# Altium PCB Main Board.PcbDoc (part 1 of 2) (continued)
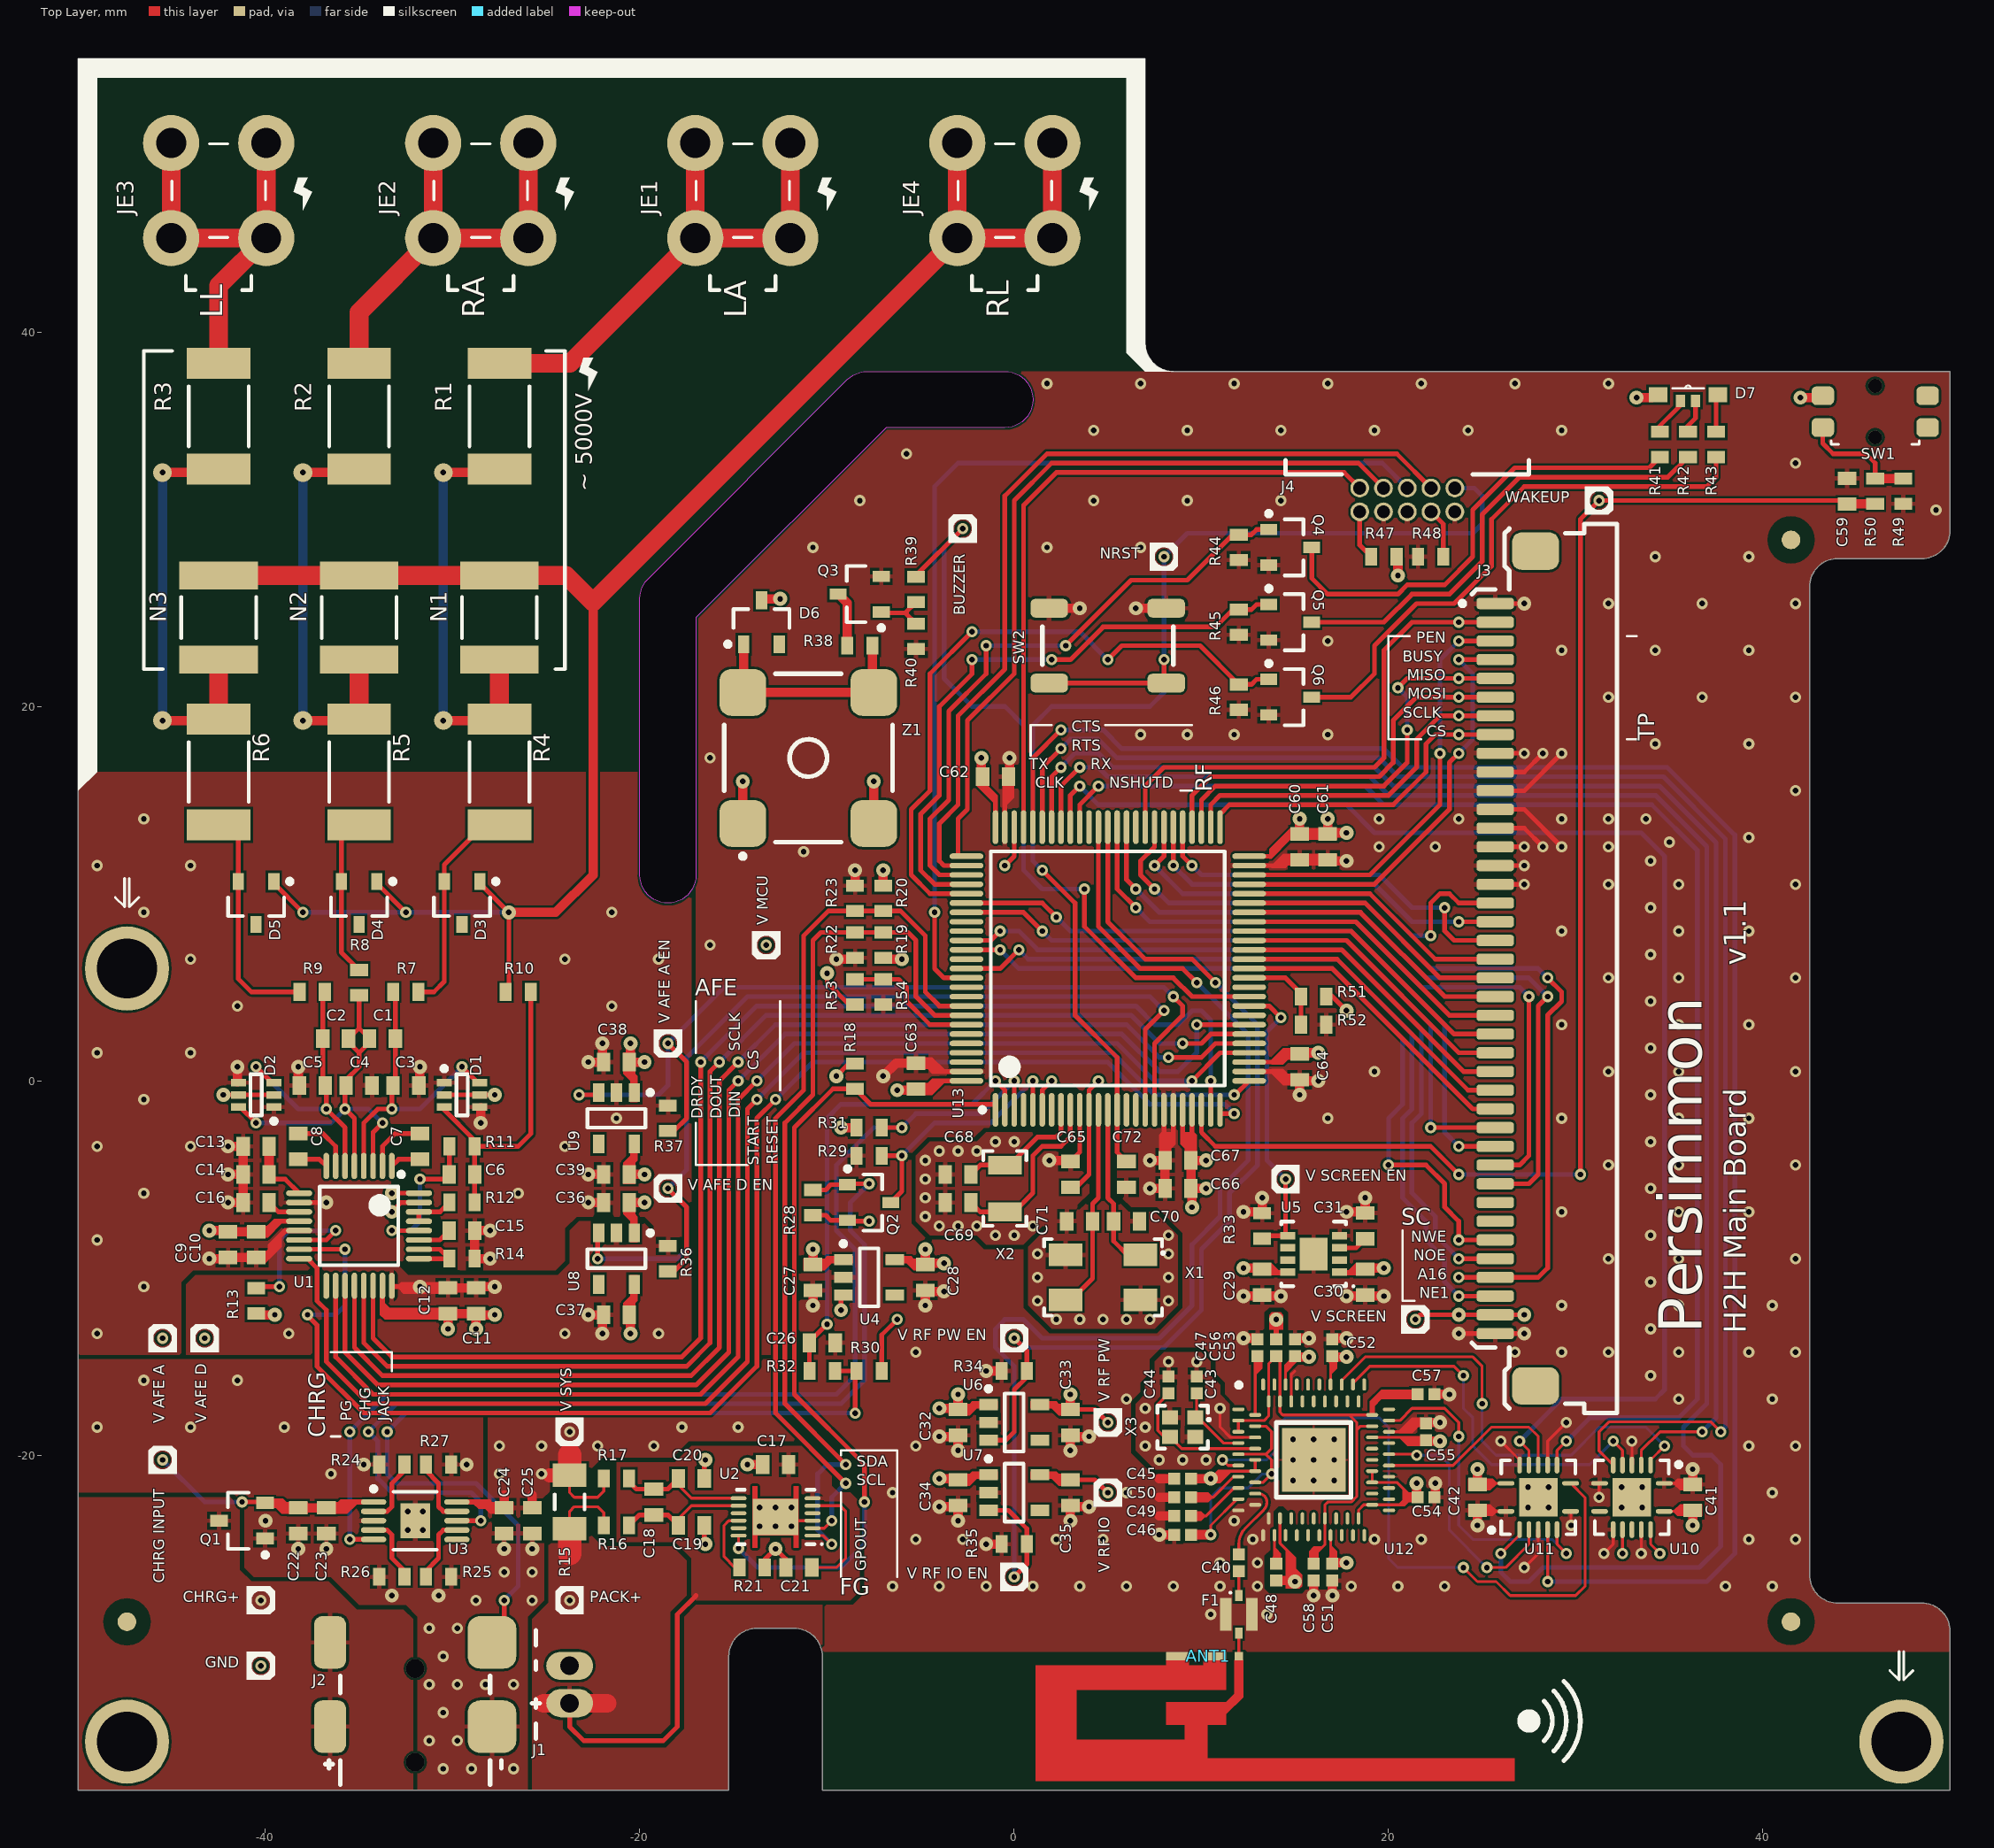
[diagram p0: Top Layer view]
## Footprints (in the part's own frame and the unit in brackets; to place one, negate y for a bottom-side part, rotate by r counter-clockwise, add the part's x,y. Pads: shape width x height; smd on the part's side, far side on the other; paste and mask are expansions set on the pad) (continued)
S2B-PH-K-S [mm] "Conn - Battery, Male, 2 Pin, PCB, Right Angle"
  oval 1.5x2.5 hole 1: 1(-1,6.25) 2(1,6.25)
  silkscreen extent -2.9,7.85 2.9,8.25, body extent -3,0 3,8, height 4.8
SN74LV4T125 [mm] "QFN, 14-Leads, Body 3,50x3,50mm, Pitch 0,50mm/1,50mm, Thermal Pad 2,05x2,05mm, IPC Medium Density"
  oval 0.9x0.25 smd mask+0.07: 1(-1.725,-0.75) 7(1.725,-0.75) 8(1.725,0.75) 14(-1.725,0.75)
  oval 0.25x0.9 smd mask+0.07: 2(-1,-1.725) 3(-0.5,-1.725) 4(0,-1.725) 5(0.5,-1.725) 6(1,-1.725) 9(1,1.725) 10(0.5,1.725) 11(0,1.725) 12(-0.5,1.725) 13(-1,1.725)
  rect 2.05x2.05 smd mask+0.07: Pad(0,0)
  silkscreen extent -2.62,-1.97 1.97,1.97, body extent -1.83,-1.83 1.83,1.83, height 1
STM-LQFP100_N [mm] "Thin QFP, 100-Leads, Body 14x14mm, Pitch 0.5mm, IPC Medium Density"
  oval 1.8x0.3 smd mask+0.05: 1(-7.55,6) 2(-7.55,5.5) 3(-7.55,5) 4(-7.55,4.5) 5(-7.55,4) 6(-7.55,3.5) 7(-7.55,3) 8(-7.55,2.5) 9(-7.55,2) 10(-7.55,1.5) 11(-7.55,1) 12(-7.55,0.5) 13(-7.55,0) 14(-7.55,-0.5) 15(-7.55,-1) 16(-7.55,-1.5) 17(-7.55,-2) 18(-7.55,-2.5) 19(-7.55,-3) 20(-7.55,-3.5) 21(-7.55,-4) 22(-7.55,-4.5) 23(-7.55,-5) 24(-7.55,-5.5) 25(-7.55,-6) 51(7.55,-6) 52(7.55,-5.5) 53(7.55,-5) 54(7.55,-4.5) 55(7.55,-4) 56(7.55,-3.5) 57(7.55,-3) 58(7.55,-2.5) 59(7.55,-2) 60(7.55,-1.5) 61(7.55,-1) 62(7.55,-0.5) 63(7.55,0) 64(7.55,0.5) 65(7.55,1) 66(7.55,1.5) 67(7.55,2) 68(7.55,2.5) 69(7.55,3) 70(7.55,3.5) 71(7.55,4) 72(7.55,4.5) 73(7.55,5) 74(7.55,5.5) 75(7.55,6)
  oval 0.3x1.8 smd mask+0.05: 26(-6,-7.55) 27(-5.5,-7.55) 28(-5,-7.55) 29(-4.5,-7.55) 30(-4,-7.55) 31(-3.5,-7.55) 32(-3,-7.55) 33(-2.5,-7.55) 34(-2,-7.55) 35(-1.5,-7.55) 36(-1,-7.55) 37(-0.5,-7.55) 38(0,-7.55) 39(0.5,-7.55) 40(1,-7.55) 41(1.5,-7.55) 42(2,-7.55) 43(2.5,-7.55) 44(3,-7.55) 45(3.5,-7.55) 46(4,-7.55) 47(4.5,-7.55) 48(5,-7.55) 49(5.5,-7.55) 50(6,-7.55) 76(6,7.55) 77(5.5,7.55) 78(5,7.55) 79(4.5,7.55) 80(4,7.55) 81(3.5,7.55) 82(3,7.55) 83(2.5,7.55) 84(2,7.55) 85(1.5,7.55) 86(1,7.55) 87(0.5,7.55) 88(0,7.55) 89(-0.5,7.55) 90(-1,7.55) 91(-1.5,7.55) 92(-2,7.55) 93(-2.5,7.55) 94(-3,7.55) 95(-3.5,7.55) 96(-4,7.55) 97(-4.5,7.55) 98(-5,7.55) 99(-5.5,7.55) 100(-6,7.55)
  silkscreen extent -7.67,-6.25 6.25,6.82, body extent -7,-7 7,7, height 1.6
TPS73633 [mm] "PSON, 8-Leads, Body 3,00x3,00mm, Pitch 0,65mm, Thermal Pad 1,75x1,50mm, IPC Medium Density"
  rect 0.8x0.4 smd mask+0.05: 1(-1.39,0.975) 2(-1.39,0.325) 3(-1.39,-0.325) 4(-1.39,-0.975) 5(1.39,-0.975) 6(1.39,-0.325) 7(1.39,0.325) 8(1.39,0.975)
  rect 1.5x1.75 smd mask+0.05: Pad(0,0)
  silkscreen extent -2.17,-1.72 1.73,1.77, body extent -1.58,-1.57 1.58,1.58, height 1
"WS-TASU 436331045822" [mm] "Switch - Tactile, Off-Mom, SPST, Side-Actuated"
  rrect50% 1.2x1 smd: 1(2.8,2.6) 2(2.8,0.9) 3(-2.8,2.6) 4(-2.8,0.9)
  silkscreen extent -2.35,3.3 2.35,3.5, body extent -3.2,-1 3.2,3.5, height 1.65

## Part data
ANT1: library part "ANT 2.4 GHz", "Antenna - Inverted F 2.4 GHz"
C1 C2 C3 C4 C5 C6 C7 C8 C9 C10 C11 C12 C13 C14 C15 C16 C17 C18 C19 C20 C21 C22 C23 C24 C25 C26 C27 C28 C29 C30 C31 C32 C33 C34 C35 C36 C37 C38 C39 C40 C41 C42 C43 C44 C45 C46 C47 C48 C49 C50 C51 C52 C53 C54 C55 C56 C57 C58 C59 C60 C61 C62 C63 C64 C65 C66 C67 C68 C69 C70 C71 C72: library part Capacitor, "Capacitor"
D1 D2: "TVS - Dual Schottky Rail-to-rail Protection"
D3 D4 D5: "TVS - Bidirectional Zener Diode"
D6: "Diode - Switching diode, 1 V, 200 mA"
D7: "LED - RGB, Top/Side-emmiting"
F1: "Filter - RF 2.4 GHz"
J1: library part S2B-PH-K-S, "Conn - Battery, Male, 2 Pin, PCB, Right Angle"
J2: "Conn - DC Power Plug - 4.0 mmOD / 1.7 mmID"
J3: library part ER-CON40HB-2, "Conn - FFC/FPC, 40 Pin, 1.0mm Pitch, ZIF"
J4: library part 3220-10-0200-00, "Conn - JTAG, Header, Male, Right Angle, 10 Pin, 1.27mm Pitch, ARM Standard"
JE1 JE2 JE3 JE4: library part CT3151SP-6, "Conn - 4mm Banana Female Jack, PCB mount, Right Angle"
N1 N2 N3: library part 2051-09-SM, "TVS - Gas Discharge Tube"
Q1: "Transistor - MOSFET, P-Channel, 30V, 4.3A"
Q2: "Transistor - MOSFET, P-Channel, 50V, 130mA"
Q3 Q4 Q5 Q6: "Transistor - MOSFET, N-Channel, 60V, 300mA"
R1 R2 R3 R4 R5 R6 R7 R8 R9 R10 R11 R12 R13 R14 R15 R16 R17 R18 R19 R20 R21 R22 R23 R24 R25 R26 R27 R28 R29 R30 R31 R32 R33 R34 R35 R36 R37 R38 R39 R40 R41 R42 R43 R44 R45 R46 R47 R48 R49 R50 R51 R52 R53 R54: library part Resistor, "Resistor"
SW1: "Switch - Tactile, Off-Mom, SPST, Side-Actuated"
SW2: "Switch - Tactile, Off-Mom, SPST"
U1: "IC - Analog Front End - Medical"
U2: "IC - Fuel Gauge, System-Side Impedance Track"
U3: "IC - Battery Charger, Single Cell Li-Ion/LiPo, 1A"
U4 U5 U6 U7 U8 U9: "Voltage Regulator - Linear"
U10 U11: "IC - Voltage Level Translator"
U12: "IC - Bluetooth 4.0 controller (BR/EDR)"
U13: "ARM Cortex-M3 32-bit MCU, 384 KB Flash, 48 KB Internal RAM, 83 I/Os, 100-pin LQFP, -40 to 85 degC, Tray"
X1: "Crystal - 16 MHz"
X2: "Crystal - 32.768 kHz"
X3: "Crystal - 26 MHz"
Z1: library part KSSG74B16, "Transductor - Buzzer 2.7 kHz"

## Free pads (board coordinates)
  round 1 smd paste-1 mask+0.5: FID1(41.5,28.9) FID2(-47.4,-28.9) FID3(41.5,-28.9)
  round 4.5 hole 3.2: ""(-47.4,-35.3) ""(-47.4,6) ""(47.4,-35.3)

## Via types
v1: diameter 0.6, hole 0.3, Top Layer to Bottom Layer, tented both sides, 297 vias
v2: diameter 0.75, hole 0.3, Top Layer to Bottom Layer, tented both sides, 136 vias
v3: diameter 0.6, hole 0.3, Top Layer to Bottom Layer, 58 vias
v4: diameter 0.6, hole 0.3, Top Layer to Bottom Layer, tented bottom, 48 vias
v5: diameter 0.6, hole 0.3, Top Layer to Bottom Layer, tented top, 29 vias
v6: diameter 1, hole 0.3, Top Layer to Bottom Layer, tented bottom, 6 vias
v7: diameter 1, hole 1, Top Layer to Bottom Layer, 2 vias
v8: diameter 0.75, hole 0.75, Top Layer to Bottom Layer, 2 vias
v9: diameter 0.75, hole 0.3, Top Layer to Bottom Layer, 1 vias

## Nets (pads, with @x,y where several pads share a name; then routed paths per layer and width w, separated by ;. In a path a pad name is that pad's centre, name@x,y a point inside that pad or via, vN(x,y) a via of type N, cw(c..) or ccw(c..) an arc to the next point about the centre after c; other vN are vias at no path point)
AFE_CLK: U1.17
AFE_CLKSEL: R13.2 U1.14 | length 9.1
  Top Layer w0.25: R13.2@-40.5,-11 v4(-39.25,-11) ; U1.14@-38.2,-8.5 -36.75,-8.5 v1(-36.25,-8)
  Bottom Layer w0.25: v4(-39.25,-11) -39.25,-8.5 -38.75,-8 v1(-36.25,-8)
AFE_CS: U1.18 U13.29 | length 70.7
  Top Layer w0.25: U1.18@-36.25,-10.95 -36.25,-14.75 -34.25,-16.75 -16.75,-16.75 -14.75,-14.75 -14.75,-1 v4(-13.75,0) ; v1(9.5,0) 11,1.5 U13.29@12.55,1.5
  Bottom Layer w0.25: v4(-13.75,0) -11.75,2 5.5,2 7.5,0 v1(9.5,0)
AFE_DIN: U1.19 U13.32 | length 71.3
  Top Layer w0.25: U1.19@-35.75,-10.95 -35.75,-14.5 -34,-16.25 -17,-16.25 -15.25,-14.5 -15.25,-0.5 v4(-14.75,0) ; v5(9.75,3) U13.32@12.55,3
  Bottom Layer w0.25: v4(-14.75,0) -12.25,2.5 5.75,2.5 7.75,0.5 8.75,0.5 9.75,1.5 v5(9.75,3)
AFE_DOUT: U1.21 U13.31 | length 68
  Top Layer w0.25: U1.21@-34.75,-10.95 -34.75,-14 -33.5,-15.25 -17.5,-15.25 -16.25,-14 -16.25,0.5 v4(-15.75,1) ; v1(9,2) 10,2 10.5,2.5 U13.31@12.55,2.5
  Bottom Layer w0.25: v4(-15.75,1) -13.25,3.5 6.25,3.5 7.75,2 v1(9,2)
AFE_DRDY: U1.22 U13.24 | length 70.1
  Top Layer w0.25: U1.22@-34.25,-10.95 -34.25,-13.75 -33.25,-14.75 -17.75,-14.75 -16.75,-13.75 v4(-16.75,1) ; U13.24@10.5,-1.55 v1(10.5,0)
  Bottom Layer w0.25: v4(-16.75,1) -13.75,4 6.5,4 7.5,3 8.75,3 9.5,3.75 10,3.75 10.5,3.25 v1(10.5,0)
AFE_GPIO: R14.1 U1.25 U1.26 | length 3.5
  Top Layer w0.25: U1.25@-31.8,-9.5 R14.1@-30.175,-9.5 -30.675,-9 U1.26@-31.8,-9
AFE_LA: C1.2 C3.2 D1.6 R7.2 U1.4 | length 16.1
  Top Layer w0.25: U1.4@-34.75,-4.55 -34.75,-2.25 -34,-1.5 v4(-33.25,-1.5) -33.25,-0.31 C3.2@-33.19,-0.25 -33.06,-0.12 C1.2@-33.06,2.25 R7.2@-33.06,4.385 ; v4(-29.5,0.75) -28.65,-0.1 D1.6@-28.55,-0.1
  Bottom Layer w0.25: v4(-33.25,-1.5) -31.75,-1.5 v4(-29.5,0.75)
AFE_LL: C2.1 C5.2 D2.3 R9.2 U1.6 | length 15.2
  Top Layer w0.25: v4(-40.5,0.75) D2.3@-39.65,-0.1 ; C5.2@-36.94,-0.12 C2.1@-36.94,2.25 -36.94,4.385 R9.2@-36.825,4.5 ; C5.2@-36.75,-0.31 v4(-36.75,-1.5) -35.75,-2.5 U1.6@-35.75,-4.55
  Bottom Layer w0.25: v4(-40.5,0.75) -38.25,-1.5 v4(-36.75,-1.5)
AFE_RA: C1.1 C2.2 C4.2 D2.6 R8.2 U1.3 U1.5 | length 22.6
  Top Layer w0.25: D2.6@-41.45,-1.4 -41.35,-1.4 v4(-40.5,-2.25) ; C2.2@-35.56,2.06 -35,1.5 ; C2.2@-35.56,2.25 -35,2.81 ; U1.5@-35.25,-4.55 -35.25,-2 v4(-35.75,-1.5) -35.75,-0.31 C4.2@-35.69,-0.25 -35.69,0.06 -35,0.75 -35,1.5 ; R8.2@-35,4.325 -35,2.81 ; U1.3@-34.25,-4.55 -34.25,-2.75 v4(-33.75,-2.25) ; -35,1.5 -34.44,2.06 C1.1@-34.44,2.25 -35,2.81
  Bottom Layer w0.25: v4(-40.5,-2.25) -36.5,-2.25 v4(-35.75,-1.5) -34.5,-1.5 v4(-33.75,-2.25)
AFE_RESET: U1.15 U13.25 | length 78.1
  Top Layer w0.25: U1.15@-38.2,-9 v1(-35.75,-9) ; v4(-37.75,-12.5) -37.75,-12.536 -37.25,-13.036 -37.25,-15.25 -34.75,-17.75 -16.25,-17.75 -13.75,-15.25 -13.75,-2 v4(-12.75,-1) ; U13.25@11,-1.75 v4(11.75,-1.75) ; U13.25@11,-1.5 U13.25@11.003,-1.5
  Bottom Layer w0.25: v4(-37.75,-12.5) -36.25,-12.5 -35.75,-12 v1(-35.75,-9) ; v4(-12.75,-1) -10.75,1 5,1 7.25,-1.25 11.25,-1.25 v4(11.75,-1.75)
AFE_RL: C6.2 D1.3 R10.2 R11.2 R12.2 | length 16.3
  Top Layer w0.25: D1.3@-30.5,-1.5 -28.825,-3.175 R11.2@-28.825,-3.5 ; R12.2@-28.825,-6.5 R11.2@-28.825,-3.5 ; R10.2@-25.825,4.5 -25.825,-2.825 -26.5,-3.5 R11.2@-28.825,-3.5
AFE_RLDINV: C6.1 R11.1 U1.28 | length 8.6
  Top Layer w0.25: v1(-33.25,-8) U1.28@-31.8,-8 ; v4(-31.75,-5.25) -30.44,-5.25 C6.1@-30.19,-5 -30.175,-4.985 R11.1@-30.175,-3.5
  Bottom Layer w0.25: v1(-33.25,-8) -32.25,-8 -31.75,-7.5 v4(-31.75,-5.25)
AFE_RLDOUT: R12.1 U1.29 U1.30 | length 2.3
  Top Layer w0.25: U1.29@-31.8,-7.5 U1.30@-31.8,-7 -30.675,-7 R12.1@-30.175,-6.5
AFE_SCLK: U1.20 U13.30 | length 68.9
  Top Layer w0.25: U1.20@-35.25,-10.95 -35.25,-14.25 -33.75,-15.75 -17.25,-15.75 -15.75,-14.25 -15.75,0 v4(-14.75,1) ; v1(8.25,1.25) 10,1.25 10.75,2 U13.30@12.55,2
  Bottom Layer w0.25: v4(-14.75,1) -12.75,3 6,3 7.75,1.25 v1(8.25,1.25)
AFE_START: U1.16 U13.26 | length 73.5
  Top Layer w0.25: U1.16@-38.2,-9.5 -37.75,-9.5 -37.25,-10 -37.25,-11.75 -36.75,-12.25 -36.75,-15 -34.5,-17.25 -16.5,-17.25 -14.25,-15 -14.25,-1.5 v4(-13.75,-1) ; v4(11.75,-0.75) 11.8,-0.75 U13.26@12.55,0
  Bottom Layer w0.25: v4(-13.75,-1) -11.25,1.5 5.25,1.5 7.5,-0.75 v4(11.75,-0.75)
AFE_VCAP1: C16.2 U1.11 | length 1.8
  Top Layer w0.25: C16.2@-39.81,-6.5 -39.31,-7 U1.11@-38.2,-7
AFE_VCAP2: C15.2 U1.27 | length 1.8
  Top Layer w0.25: U1.27@-31.8,-8.5 -30.69,-8.5 C15.2@-30.19,-8
AFE_VREFP: C13.2 C14.2 U1.9 | length 3.5
  Top Layer w0.25: C14.2@-39.81,-5 -39.56,-5.25 -38.95,-5.25 U1.9@-38.2,-6
  Top Layer w0.5: C14.2@-39.81,-5 C13.2@-39.81,-3.5
AGND: ANT1.2 C3.1 C4.1 C5.1 C9.1 C10.1 C11.1 C12.1 C13.1 C14.1 C15.1 C16.1 C17.1 C19.1 C20.2 C21.1 C22.1 C23.1 C24.1 C25.1 C26.1 C27.1 C28.1 C29.1 C30.1 C31.1 C32.1 C33.1 C34.1 C35.1 C36.1 C37.1 C38.1 C39.1 C41.1 C42.1 C43.1 C44.1 C45.1 C46.1 C47.1 C48.1 C49.1 C50.1 C51.1 C52.1 C53.1 C54.1 C55.1 C56.1 C57.1 C58.1 C59.1 C60.1 C61.1 C62.1 C63.1 C64.1 C65.1 C66.1 C67.1 C68.1 C69.1 C70.1 C71.1 C72.1 D1.1 D1.4 D2.1 D2.4 F1.1 F1.3 J1.2 J2.2 J3.1 J3.9 J3.10 J3.11 J3.12 J3.13 J3.14 J3.15 J3.16 J3.40 J4.3 J4.5 J4.9 Q1.1 Q3.2 Q4.2 Q5.2 Q6.2 R14.2 R21.2 R22.2 R23.2 R24.2 R25.2 R26.2 R27.2 R29.2 R33.2 R34.2 R35.2 R36.2 R37.2 R40.2 R44.2 R45.2 R46.2 R48.1 R49.1 R52.1 R54.1 SW2.1 SW2.2 U1.10 U1.13 U1.24 U2.3 U2.13 U3.3 U3.Pad U4.2 U5.4 U5.Pad U6.2 U7.2 U8.2 U9.2 U10.1 U10.4 U10.7 U10.9 U10.12 U11.1 U11.4 U11.7 U11.10 U11.13 U12.A10 U12.A11 U12.A24 U12.A28 U12.B3 U12.B9 U12.B10 U12.B11 U12.B34 U12.Pad U13.10 U13.19 U13.20 U13.27 U13.49 U13.74 U13.99 X1.2 X1.4 X3.2 X3.4 | length 156.9
  Top Layer w0.15: U2.13@-12.55,-23.5 U2.3@-10.775,-23.5 ; v1(11,-17.5) 11,-18.5 11.55,-19.05 U12.B3@12.875,-19.05 ; U12.B11@14.2,-23.375 14.2,-24.7 15,-25.5 v2(15,-26.75) ; U12.B34@14.8,-17.125 14.8,-15.7 15,-15.5 ; U12.A28@20.025,-18.75 21.25,-18.75 21.7,-18.3 C55.1@22,-18.3 ; v1(26,-19.25) 27,-20.25 U11.13@27,-20.525 ; v1(27.25,-26) 28,-25.25 U11.4@28,-23.975 ; U11.10@28.5,-20.525 28.5,-19.25 v1(29.5,-18.25) ; U11.7@29.725,-23 29.75,-22.975 v1(29.75,-23.75) ; v1(31.25,-22.25) 31.25,-21.525 U10.7@31.275,-21.5 ; v1(31.5,-25.25) 32,-24.75 U10.9@32,-23.975 ; U10.4@33,-20.525 v1(33,-19.25) ; v1(33.5,-25.25) U10.12@33.5,-23.975
  Top Layer w0.25: U1.10@-38.2,-6.5 v2(-36.75,-6.5) ; U1.24@-33.25,-10.95 -33.2,-11 -30.31,-11 C12.1@-30.25,-11.06 ; D1.4@-28.55,-1.4 D1.4@-28.5,-1.45 ; v2@-16.56,-24.69 C19.1@-16.56,-23.75 ; C20.2@-16.56,-21.25 -16.56,-20.31 v2(-16.5,-20.25) ; R21.2@-13.325,-26 -13.325,-25.575 v2(-12.75,-25) -12.19,-25.56 C21.1@-12.19,-26 ; -4,0.5 -3.625,0.5 U13.99@-2.55,0.5 ; U13.74@-0.5,13.55 -0.5,14.625 -0.5,15 ; C65.1@3,-4.31 3.5,-3.81 U13.10@3.5,-1.55 ; 8,-3 U13.19@8,-1.55 ; 8.5,-3 U13.20@8.5,-1.55 ; U13.27@12.55,0.5 14,0.5 ; U13.49@12.55,11.5 14,11.5 ; C60.1@15.25,11.81 16.5,11.81 C61.1@16.75,12.06 ; v2(23.75,-13.5) J3.40@25.7,-13.5 v2(27.25,-13.5) ; J3.16@25.7,10.5 v1(27.25,10.5) ; J3.15@25.7,11.5 v1(27.25,11.5) ; J3.14@25.7,12.5 v1(27.25,12.5) ; J3.13@25.7,13.5 27.25,13.5 v1(28.25,12.5) ; J3.12@25.7,14.5 27.25,14.5 v1(29.25,12.5) ; J3.11@25.7,15.5 27.25,15.5 v1(29.25,17.5) ; J3.10@25.7,16.5 27.25,16.5 v1(28.25,17.5) ; J3.9@25.7,17.5 v1(27.25,17.5) ; J3.1@25.7,25.5 v2(27.25,25.5)
  Top Layer w0.5: v2(-43,-9.5) -42.06,-9.5 C9.1@-42,-9.44 C10.1@-40.5,-9.44 ; v2(-42,-6.5) C16.1@-41.19,-6.5 C14.1@-41.19,-5 ; v2(-42,-5) C14.1@-41.19,-5 ; v2(-42,-3.5) C13.1@-41.19,-3.5 C14.1@-41.19,-5 ; D2.4@-41.5,-0.05 v2(-41.5,0.75) ; Q1.1@-40.015,-24.45 Q1.1@-40,-24.435 ; v2(-38.25,0.75) -38.25,-0.19 C5.1@-38.19,-0.25 ; R26.2@-34,-26.575 R26.2@-33.925,-26.5 ; R24.2@-34,-20.425 R24.2@-33.925,-20.5 ; C3.1@-31.81,-0.25 -31.75,-0.19 v2(-31.75,0.75) ; C12.1@-30.25,-11.06 C11.1@-28.75,-11.06 -28.69,-11 v2(-27.75,-11) ; R25.2@-30.075,-26.5 R25.2@-30,-26.575 ; R27.2@-30.075,-20.5 R27.2@-30,-20.425 ; C15.1@-28.825,-8.015 R14.2@-28.825,-9.5 v2(-28,-9.5) ; C15.1@-28.81,-8 v2(-28,-8) ; v2(-28.5,-2.25) D1.4@-28.5,-1.45 ; v2(-22.75,-12.5) C37.1@-21.94,-12.5 -22,-12.56 v2(-22,-13.5) ; v2(-22.75,-6.5) C36.1@-21.94,-6.5 ; v2(-22.75,-5) C39.1@-21.94,-5 ; v2(-22.75,1) C38.1@-21.94,1 -22,1.06 v2(-22,2) ; v2(-14.25,-20.5) C17.1@-13.44,-20.5 ; v2(-10.75,-12) C27.1@-10.75,-11.19 ; C26.1@-9.56,-14 C26.1@-9.5,-13.94 ; v2(-9.5,6.5) -8.575,6.5 R22.2@-8.5,6.575 ; R23.2@-8.5,10.425 v2(-8.5,11.25) ; v2(-7,0.25) -6.31,0.94 C63.1@-5.25,0.94 ; v2(-4.75,-12) C28.1@-4.75,-11.19 -4.69,-11.25 v2(-3.75,-11.25) ; v2(-4,-22.75) -3.06,-22.75 C34.1@-3,-22.69 v2(-3,-23.5) ; v2(-4,-19) -3.06,-19 C32.1@-3,-18.94 v2(-3,-19.75) ; v2(-1.5,-24.75) R35.2@-0.675,-24.75 ; v2(-1.5,-15.5) R34.2@-0.675,-15.5 ; C62.1@-0.25,16.31 v2(-0.25,17.25) ; v2(1.875,-4.25) 2.94,-4.25 C65.1@3,-4.31 ; SW2.2@1.875,25.25 v2(3.5,25.25) ; v2(3,-23.5) C35.1@3,-22.69 3.06,-22.75 v2(4,-22.75) ; v2(3,-19.75) C33.1@3,-18.94 3.06,-19 v2(4,-19) ; v2(6.5,25.25) SW2.1@8.125,25.25 ; v2(7.25,-5.75) C66.1@8.06,-5.75 ; v2(7.25,-4.25) C67.1@8.06,-4.25 C66.1@8.06,-5.75 ; 7.75,-21.25 C45.1@8.55,-21.25 ; v2(7.75,-24.25) C46.1@8.55,-24.25 ; 7.75,-23.25 C49.1@8.55,-23.25 ; 7.75,-22.25 C50.1@8.55,-22.25 ; C66.1@8,-5.81 C66.1@8.06,-5.75 ; v2(12.25,-13.75) 13.05,-13.75 C47.1@13,-13.8 ; v2(12.25,-11.5) 13.19,-11.5 C29.1@13.25,-11.44 13.31,-11.5 v2(14.25,-11.5) ; v2(12.25,-7) 13.175,-7 R33.2@13.25,-7.075 v2(13.25,-6.25) ; C48.1@14,-26.7 v2@14.95,-26.7 ; C53.1@15,-13.8 15.05,-13.75 v2(15.75,-13.75) ; v2(15.25,-0.75) C64.1@15.25,0.06 15.31,0 v2(16.25,0) ; v2(16,-27.5) C58.1@16,-26.7 ; C61.1@16.75,11.81 16.81,11.75 v2(17.75,11.75) ; v2(17,-27.5) C51.1@17,-26.7 ; C52.1@17,-13.8 16.95,-13.75 v2(17.75,-13.75) ; v2(17.75,-11.5) 18.69,-11.5 C30.1@18.75,-11.44 18.81,-11.5 v2(19.75,-11.5) ; v2(17.75,-7) 18.69,-7 C31.1@18.75,-7.06 v2(18.75,-6.25) ; C55.1@22.05,-18.25 v2(22.75,-18.25) ; C54.1@22.45,-22.25 22.5,-22.2 v2(22.5,-21.5) ; C57.1@22.45,-16.75 v2(23.25,-16.75) ; v2(24.75,-23.75) C42.1@24.75,-22.94 ; C41.1@36.25,-21.56 v2(36.25,-20.75)
  L1 w0.25: J1.2@-23.75,-31.25 -18.75,-31.25 -18,-30.5 -18,-28.5 -16.5,-27
  L1 w1: -25.158,-31.25 J1.2@-23.75,-31.25
  L1 w1.5: J1.2@-23.75,-31.25 -23.75,-29.625
  other v1: -30.5,-36.75 -29,-36.75 -26.75,-36.75 -31.25,-35.25 -29.75,-35.25 -30.5,-33.75 -31.25,-32.25 -29.75,-32.25 -28.25,-32.25 -26.75,-32.25 -30.5,-30.75 -31.25,-29.25 -29.75,-29.25 10.5,-28.5 13.5,-28.5 -28.75,-27.75 -25.75,-27.75 -6.5,-27 -4,-27 -1.5,-27 1,-27 3.5,-27 6,-27 8.5,-27 11,-27 13,-27 18,-27 20.5,-27 23,-27 38,-27 40.5,-27 -27.25,-26.25 -25.75,-26.25 11,-25.75 13,-25.75 -5.25,-24.5 -2.75,-24.5 2.25,-24.5 4.75,-24.5 12.75,-24.5 19.25,-24.5 21.75,-24.5 39.25,-24.5 41.75,-24.5 -32.4,-24 -31.6,-24 -13.6,-23.8 -12.75,-23.8 -11.9,-23.8 11.75,-23.5 -32.4,-23 -31.6,-23 -13.6,-22.8 -12.75,-22.8 -11.9,-22.8 -6.5,-22 6,-22 40.5,-22 14.9,-21.35 16,-21.35 17.1,-21.35 -36.5,-21 7.75,-20.25 9,-20.25 10.25,-20.25 14.9,-20.25 16,-20.25 17.1,-20.25 -5.25,-19.5 7,-19.5 39.25,-19.5 41.75,-19.5 14.9,-19.15 16,-19.15 17.1,-19.15 -49,-18.5 -44,-18.5 -39,-18.5 7,-18.5 7,-17.5 6,-17 35.5,-17 40.5,-17 -46.5,-16 -41.5,-16 34,-15.75 8.25,-15 9.75,-15 -5.25,-14.5 26.75,-14.5 29.25,-14.5 31.75,-14.5 35.5,-14.5 39.25,-14.5 41.75,-14.5 -49,-13.5 -38.75,-13.5 -24,-13.5 -19,-13.5 34,-13.25 2.25,-12.75 3.5,-12.75 4.75,-12.75 6,-12.75 7.25,-12.75 29.25,-12 35.5,-12 40.5,-12 1.25,-11.75 8.25,-11.75 -46.5,-11 34,-10.75 1.25,-10.5 8.25,-10.5 31.75,-9.5 35.5,-9.5 41.75,-9.5 1.25,-9.25 8.25,-9.25 -49,-8.5 -1,-8.25 0,-8.25 8.25,-8.25 34,-8.25 -4,-7.75 -3,-7.75 -2,-7.75 1,-7.75 -4.75,-7.25 29.25,-7 35.5,-7 39.25,-7 -4.75,-6.25 -46.5,-6 -26.5,-6 34,-5.75 -4.75,-5.25 31.75,-4.5 35.5,-4.5 41.75,-4.5 -4.75,-4.25 -4,-3.75 -3,-3.75 -2,-3.75 -49,-3.5 -44,-3.5 -24,-3.5 -1,-3.25 0,-3.25 34,-3.25 -21.25,-2 16.75,-2 29.25,-2 35.5,-2 39.25,-2 -46.5,-1 34,-0.75 19.25,0.5 31.75,0.5 35.5,0.5 41.75,0.5 -49,1.5 -44,1.5 34,1.75 29.25,3 35.5,3 39.25,3 -41.5,4 -21.5,4 34,4.25 31.75,5.5 35.5,5.5 41.75,5.5 -44,6.5 -24,6.5 -19,6.5 34,6.75 -16.25,7.25 29.25,8 35.5,8 39.25,8 -46.5,9 -21.5,9 34,9.25 31.75,10.5 35.5,10.5 41.75,10.5 -49,11.5 -44,11.5 34,11.75 -11.25,12.25 19.5,12.5 22.5,12.5 31.75,12.5 35,12.75 39.25,13 -46.5,14 19.5,14 23.75,14 29.25,14 31.75,14 33.75,14 41.75,15.5 -16.25,17.25 34.25,18 39.25,18 6.75,18.5 9.25,18.5 11.75,18.5 16.75,18.5 31.75,20.5 36.75,20.5 41.75,20.5 29.25,23 34.25,23 39.25,23 16.75,23.5 31.75,25.5 36.75,25.5 41.75,25.5 34.25,28 39.25,28 -10.75,28.5 1.75,28.5 6.75,28.5 49.25,30.5 -8.25,31 4.25,31 9.25,31 14.25,31 41.75,33 -5.75,33.5 4.25,34.75 9.25,34.75 14.25,34.75 19.25,34.75 24.25,34.75 29.25,34.75 1.75,37.25 6.75,37.25 11.75,37.25 16.75,37.25 21.75,37.25 26.75,37.25 31.75,37.25
  other v2: -33.25,-27.5 -30.75,-27.5 -38.25,-25 -36.75,-25 -27.25,-25 -25.75,-25 -16.5,-24.75 -40,-23.5 -34.75,-20.5 -29.25,-20.5 14,-12.75 -31.75,-11
  other v4: -40.25,-31.25
BACKLIGHT_CTRL: J3.2 U13.59 | length 27.9
  Top Layer w0.25: U13.59@7,13.55 7,15.75 8,16.75 19.25,16.75 19.75,17.25 19.75,23 21.25,24.5 v3(23.75,24.5) J3.2@25.7,24.5
BOOT0: R53.1 R54.2 U13.94 | length 7.4
  Top Layer w0.25: R53.1@-8.5,5.425 R54.2@-7,5.425 -6.175,5.425 -5.75,5 -5.75,4.25 -4.5,3 U13.94@-2.55,3
BOOT1: R51.1 R52.2 U13.37 | length 4.8
  Top Layer w0.25: U13.37@12.55,5.5 14.5,5.5 15.325,4.675 R52.2@15.325,3
BT_ADC_LDO_OUT: C49.2 U12.A8 | length 3.1
  Top Layer w0.15: C49.2@9.45,-23.25 10.25,-23.25 11.75,-21.75 U12.A8@11.975,-21.75
BT_CL1.5_LDO_OUT: C50.2 U12.A7 | length 3
  Top Layer w0.15: C50.2@9.45,-22.25 10.625,-22.25 11.725,-21.15 U12.A7@11.975,-21.15
BT_DCO_LDO_OUT: C48.2 U12.A12 | length 1.4
  Top Layer w0.15: C48.2@13.9,-25.7 U12.A12@13.9,-24.275
BT_DIG_LDO_OUT: C56.2 C57.2 C58.2 U12.A2 U12.A3 U12.B15 U12.B26 U12.B27 U12.B35 U12.B36 | length 26.7
  Top Layer w0.15: U12.A3@11.975,-18.75 U12.A2@11.975,-18.15 13.35,-18.15 13.6,-17.9 U12.B36@13.6,-17.125 13.6,-15.1 C56.2@14,-14.7 ; C56.2@14.2,-14.9 14.2,-17.7 14.35,-17.85 17.9,-17.85 ; 16.125,-25.25 16.6,-24.775 U12.B15@16.6,-23.375 16.6,-22.65 16.75,-22.5 18,-22.5 18.3,-22.2 18.3,-18.65 ; U12.B26@19.125,-18.45 18.5,-18.45 18.3,-18.65 ; C57.2@21.55,-16.75 19.75,-16.75 19.125,-17.375 U12.B27@19.125,-17.85 17.9,-17.85 ; 17.9,-17.85 18.3,-18.25 18.3,-18.65
BT_HCI_CTS: U11.6 U12.A29 | length 17.7
  Top Layer w0.15: U12.A29@20.025,-18.15 20.6,-18.15 21.25,-17.5 23,-17.5 23.75,-18.25 v3(23.75,-19) ; U11.6@29,-23.975 29,-24.75 v3(29.5,-25.25)
  Bottom Layer w0.15: v3(23.75,-19) 23.75,-23.75 24.5,-24.5 28.75,-24.5 v3(29.5,-25.25)
BT_HCI_RTS: U10.5 U12.A32 | length 20.4
  Top Layer w0.15: U12.A32@18.1,-16.225 18.1,-16.15 19,-15.25 23.5,-15.25 v3(24,-15.75) ; v3(32,-19.25) 32.5,-19.75 U10.5@32.5,-20.525
  Bottom Layer w0.15: v3(24,-15.75) 24,-17.5 24.5,-18 24.5,-19.5 25.5,-20.5 30.75,-20.5 v3(32,-19.25)
BT_HCI_RX: U11.3 U12.A26 | length 13.3
  Top Layer w0.15: U12.A26@20.025,-19.95 21.45,-19.95 v3(21.5,-20) ; v3(25.25,-26) 26.25,-26 27.5,-24.75 U11.3@27.5,-23.975
  Bottom Layer w0.15: v3(21.5,-20) 22.75,-20 23.25,-20.5 23.25,-24 v3(25.25,-26)
BT_HCI_TX: U10.2 U12.A33 | length 24.9
  Top Layer w0.15: U12.A33@17.5,-16.225 17.5,-16 18.75,-14.75 24.5,-14.75 25,-15.25 v3(25,-17.25) ; U10.2@34,-20.525 34,-20.25 v3(34.75,-19.5)
  Bottom Layer w0.15: v3(25,-17.25) 25,-19.25 25.75,-20 29.75,-20 31.25,-18.5 33.75,-18.5 v3(34.75,-19.5)
BT_MLDO_OUT: C46.2 U12.A5 U12.A9 U12.B2 U12.B7 | length 15.4
  Top Layer w0.15: C46.2@9.45,-24.25 v3(10.5,-24.25) 10.5,-23.75 11.9,-22.35 U12.A9@11.975,-22.35 ; U12.A5@11.975,-19.95 13.45,-19.95 ; U12.B7@12.875,-21.45 13.3,-21.45 v5(13.75,-21) 13.75,-20.25 13.45,-19.95 ; U12.B2@12.875,-18.45 13.45,-18.45 13.75,-18.75 13.75,-19.65 13.45,-19.95
  Bottom Layer w0.15: v3(10.5,-24.25) 10.5,-22.25 11,-21.75 12.5,-21.75 13.25,-21 v5(13.75,-21)
BT_NSHUTD: U11.8 U12.A6 | length 36.1
  Top Layer w0.15: v3(11.125,-20.25) 11.425,-20.55 U12.A6@11.975,-20.55 ; v3(24,-26) 24.75,-26.75 25.75,-26.75 26.5,-27.5 30,-27.5 30.5,-27 30.5,-22.275 U11.8@29.725,-21.5
  Bottom Layer w0.15: v3(11.125,-20.25) 13.5,-20.25 14,-19.75 14,-18.5 14.5,-18 19.5,-18 20,-18.5 20,-25.5 20.5,-26 v3(24,-26)
BT_OUT: C40.1 U12.B8 | length 4.2
  Top Layer w0.15: C40.1@12,-25.3 12,-24.755 cw(c13.219,-24.755) 12.357,-23.893 12.5,-23.75 13.25,-23 13.323,-22.927 ccw(c12.896,-22.5) 13.5,-22.5 ccw(c13.05,-22.5) 13.05,-22.05 U12.B8@12.875,-22.05
BT_SLOW_CLK: U11.11 U12.A25 | length 10.6
  Top Layer w0.15: U12.A25@20.025,-20.55 23.45,-20.55 25.5,-18.5 27.5,-18.5 28,-19 U11.11@28,-20.525
BT_SRAM_LDO_OUT: C47.2 U12.B1 | length 3.2
  Top Layer w0.15: U12.B1@12.875,-17.85 12.875,-14.825 C47.2@13,-14.7
CHRG_CHG: Q2.3 R29.1 U13.5 | length 14
  Top Layer w0.25: R29.1@-7.075,-4 v4(-6,-4) -6,-5.9 Q2.3@-6.6,-6.5 ; U13.5@1,-1.55 v1(1,0)
  Bottom Layer w0.25: v4(-6,-4) -4.25,-2.25 -1.25,-2.25 v1(1,0)
CHRG_CHG_OUT: Q2.1 R28.2 U3.8 | length 53
  Top Layer w0.25: U3.8@-29.775,-23.5 v4(-28.5,-23.5) ; R28.2@-10.75,-5.825 -10.075,-5.825 -9.8,-5.55 Q2.1@-8.9,-5.55 -8.85,-5.5 v1(-7.75,-5.5)
  Bottom Layer w0.25: v4(-28.5,-23.5) -28.5,-22.5 -29,-22 -33.25,-22 -34,-21.25 -34,-19.25 v4(-34.5,-18.75) -33,-17.25 -9.25,-17.25 -8,-16 -8,-8.75 -8.75,-8 -8.75,-6.5 v1(-7.75,-5.5)
CHRG_IN: C22.2 C23.2 Q1.2 U3.1 | length 7.9
  Top Layer w0.25: v4(-41.25,-22.5) -40.065,-22.5 Q1.2@-40.015,-22.55
  Top Layer w0.5: C22.2@-38.25,-22.81 C23.2@-36.75,-22.81
  Bottom Layer w0.25: v4(-45.5,-20.25) -43.25,-22.5 v4(-41.25,-22.5)
CHRG_ISET: R24.1 U3.2 | length 3.6
  Top Layer w0.25: U3.2@-34.225,-23 -33.5,-23 -33.25,-22.75 -33.25,-21.5 -32.575,-20.825 R24.1@-32.575,-20.5
CHRG_ISET2: R25.1 U3.7 | length 3.3
  Top Layer w0.25: R25.1@-31.425,-26.175 -30.75,-25.5 -30.75,-24.25 -30.5,-24 U3.7@-29.775,-24
CHRG_JACK: J2.1 Q1.3
  other v4: -40.25,-27.75
CHRG_JACK_DET: C26.2 R32.1 U13.2 | length 25.7
  Top Layer w0.25: C26.2@-10.94,-14 -10.94,-15.485 R32.1@-10.925,-15.5 R32.1@-10.925,-15.825 ; C26.2@-10.94,-13.94 v4(-10,-13) ; v1(-1,0) -0.5,-0.5 U13.2@-0.5,-1.55
  Bottom Layer w0.25: v4(-10,-13) -10,-2 -9.25,-1.25 -2.25,-1.25 v1(-1,0)
CHRG_JACK_PIN: J2.3 R30.2 R32.2 | length 46
  Top Layer w0.25: J2.3@-27.9,-30 -27.25,-29.35 v4(-27.25,-27.75) ; R32.2@-9.575,-15.5 -8.5,-15.5 v4(-8.5,-17.75)
  Bottom Layer w0.25: v4(-27.25,-27.75) -26.5,-27 -26.5,-23.75 -28.75,-21.5 -33,-21.5 -33.5,-21 v4(-33.5,-18.75) -32.5,-17.75 v4(-8.5,-17.75)
CHRG_PG: R31.2 U3.5 U13.3 | length 60.9
  Top Layer w0.25: v4(-35.5,-24.5) U3.5@-34.225,-24.5 ; R31.2@-7.075,-2.5 v4(-6,-2.5) ; U13.3@0,-1.55 v1(0,0)
  Bottom Layer w0.25: v4(-35.5,-24.5) v4(-35.5,-18.75) -33.5,-16.75 -9.5,-16.75 -8.5,-15.75 -8.5,-9 -9.5,-8 -9.5,-4.5 -7.5,-2.5 v4(-6,-2.5) -5.25,-1.75 -1.75,-1.75 v1(0,0)
CHRG_PRETERM: R26.1 U3.4 | length 3.3
  Top Layer w0.25: U3.4@-34.225,-24 -33.5,-24 -33.25,-24.25 -33.25,-25.5 R26.1@-32.575,-26.175
CHRG_TS: R27.1 U3.9 | length 3.6
  Top Layer w0.25: R27.1@-31.425,-20.5 -31.425,-20.825 -30.75,-21.5 -30.75,-22.75 -30.5,-23 U3.9@-29.775,-23
FG_1.8: C21.2 U2.5 | length 6.4
  Top Layer w0.15: C21.2@-10.81,-26 -9.5,-26 -9,-25.5 -9,-23 -9.3,-22.7 U2.5@-10.775,-22.7
FG_BIN: R21.1 U2.10 | length 3.4
  Top Layer w0.15: R21.1@-14.925,-26 -15.5,-25.425 -15.5,-23.75 -15.25,-23.5 U2.10@-14.725,-23.5
FG_GPOUT: R18.2 U2.12 U13.1 | length 44.4
  Top Layer w0.15: v1(-14.725,-24.975) U2.12@-14.725,-24.3
  Top Layer w0.25: v4(-8,-22.5) -8,-20.5 -11.75,-16.75 -11.75,-2.5 -9.675,-0.425 R18.2@-8.5,-0.425 -7.675,-1.25 -1,-1.25 U13.1@-1,-1.55
  Bottom Layer w0.25: v1(-14.725,-24.975) -13.7,-26 -9.25,-26 -8,-24.75 v4(-8,-22.5)
FG_SCL: R20.2 R23.1 U2.2 U13.92 | length 48
  Top Layer w0.15: U2.2@-10.775,-23.9 -10.15,-23.9 v4(-9.75,-23.5)
  Top Layer w0.25: v4(-9,-21.5) -12.75,-17.75 -12.75,-2 -11.25,-0.5 -11.25,7.75 -9.925,9.075 R23.1@-8.5,9.075 R20.2@-7,9.075 -6.075,9.075 -4.75,7.75 -4.75,4.75 -4,4 U13.92@-2.55,4
  Bottom Layer w0.25: v4(-9.75,-23.5) -9.75,-22.25 v4(-9,-21.5)
FG_SDA: R19.2 R22.1 U2.1 U13.93 | length 48.9
  Top Layer w0.15: U2.1@-10.775,-24.3 -10.2,-24.3 v4(-9.75,-24.75)
  Top Layer w0.25: v4(-9,-20.5) -12.25,-17.25 -12.25,-2.25 -10.75,-0.75 -10.75,7.5 -10.325,7.925 R22.1@-8.5,7.925 R19.2@-7,7.925 -5.675,7.925 -5.25,7.5 -5.25,4.5 -4.25,3.5 U13.93@-2.55,3.5
  Bottom Layer w0.25: v4(-9.75,-24.75) -10.5,-24 -10.5,-21 -10,-20.5 v4(-9,-20.5)
FG_SR_N: C18.1 C20.1 R17.2 U2.7 | length 6.6
  Top Layer w0.15: C20.1@-17.94,-21.25 -17.865,-21.325 -17.865,-21.685 -17.25,-22.3 U2.7@-14.975,-22.3
  Top Layer w0.25: R17.2@-20.575,-21.425 -20.19,-21.81 C18.1@-19.25,-21.81 -18.5,-21.81 C20.1@-17.94,-21.25
FG_SR_P: C18.2 C19.2 R16.2 U2.8 | length 6.7
  Top Layer w0.15: C19.2@-17.94,-23.75 -17.865,-23.675 -17.865,-23.315 -17.25,-22.7 U2.8@-14.975,-22.7
  Top Layer w0.25: R16.2@-20.575,-23.75 -20.015,-23.19 C18.2@-19.25,-23.19 -18.5,-23.19 C19.2@-17.94,-23.75
FSMC_A16: J3.37 U13.58 | length 48
  Top Layer w0.25: v5(7.5,10.25) 6.75,11 6.75,11.75 7.5,12.5 U13.58@7.5,13.55 ; v3(23.75,-10.5) J3.37@25.7,-10.5 28,-10.5 28.5,-10 28.5,3.5 29.25,4.25 29.25,4.75 v5(28.5,5.5)
  Bottom Layer w0.25: v5(7.5,10.25) 8.25,9.5 18.75,9.5 22.25,6 28,6 v5(28.5,5.5)
FSMC_D0: J3.32 U13.61 | length 40.1
  Top Layer w0.25: U13.61@6,13.55 6,10.75 v5(6.5,10.25) ; J3.32@25.7,-5.5 27.5,-5.5 28,-5 28,4 v5(28.5,4.5)
  Bottom Layer w0.25: v5(6.5,10.25) 7.75,9 18.5,9 22,5.5 27.5,5.5 v5(28.5,4.5)
FSMC_D1: J3.31 U13.62 | length 38.2
  Top Layer w0.25: U13.62@5.5,13.55 5.5,10.25 v5(6.5,9.25) ; J3.31@25.7,-4.5 27,-4.5 27.5,-4 v5(27.5,4.5)
  Bottom Layer w0.25: v5(6.5,9.25) 7.25,8.5 18.25,8.5 21.75,5 27,5 v5(27.5,4.5)